# Altium PCB RK_NVR_DEMO1_RK3588_LP4XD200P232SD8_V21_20211228_final_lint.PcbDoc (part 26 of 29)
Units mm, origin at the board's own origin, x right, y up, seen from the top; angles counter-clockwise.
Board outline 170.08 x 169.98 mm, 8 copper layers (TOP, L2-GND1, L3-POWER1, L4-S1, L5-GND2, L6-S2, L7-GND3, BOTTOM), stack 2.118 mm thick; 1650 components, 1119 nets, 6165 pads, 15417 vias.
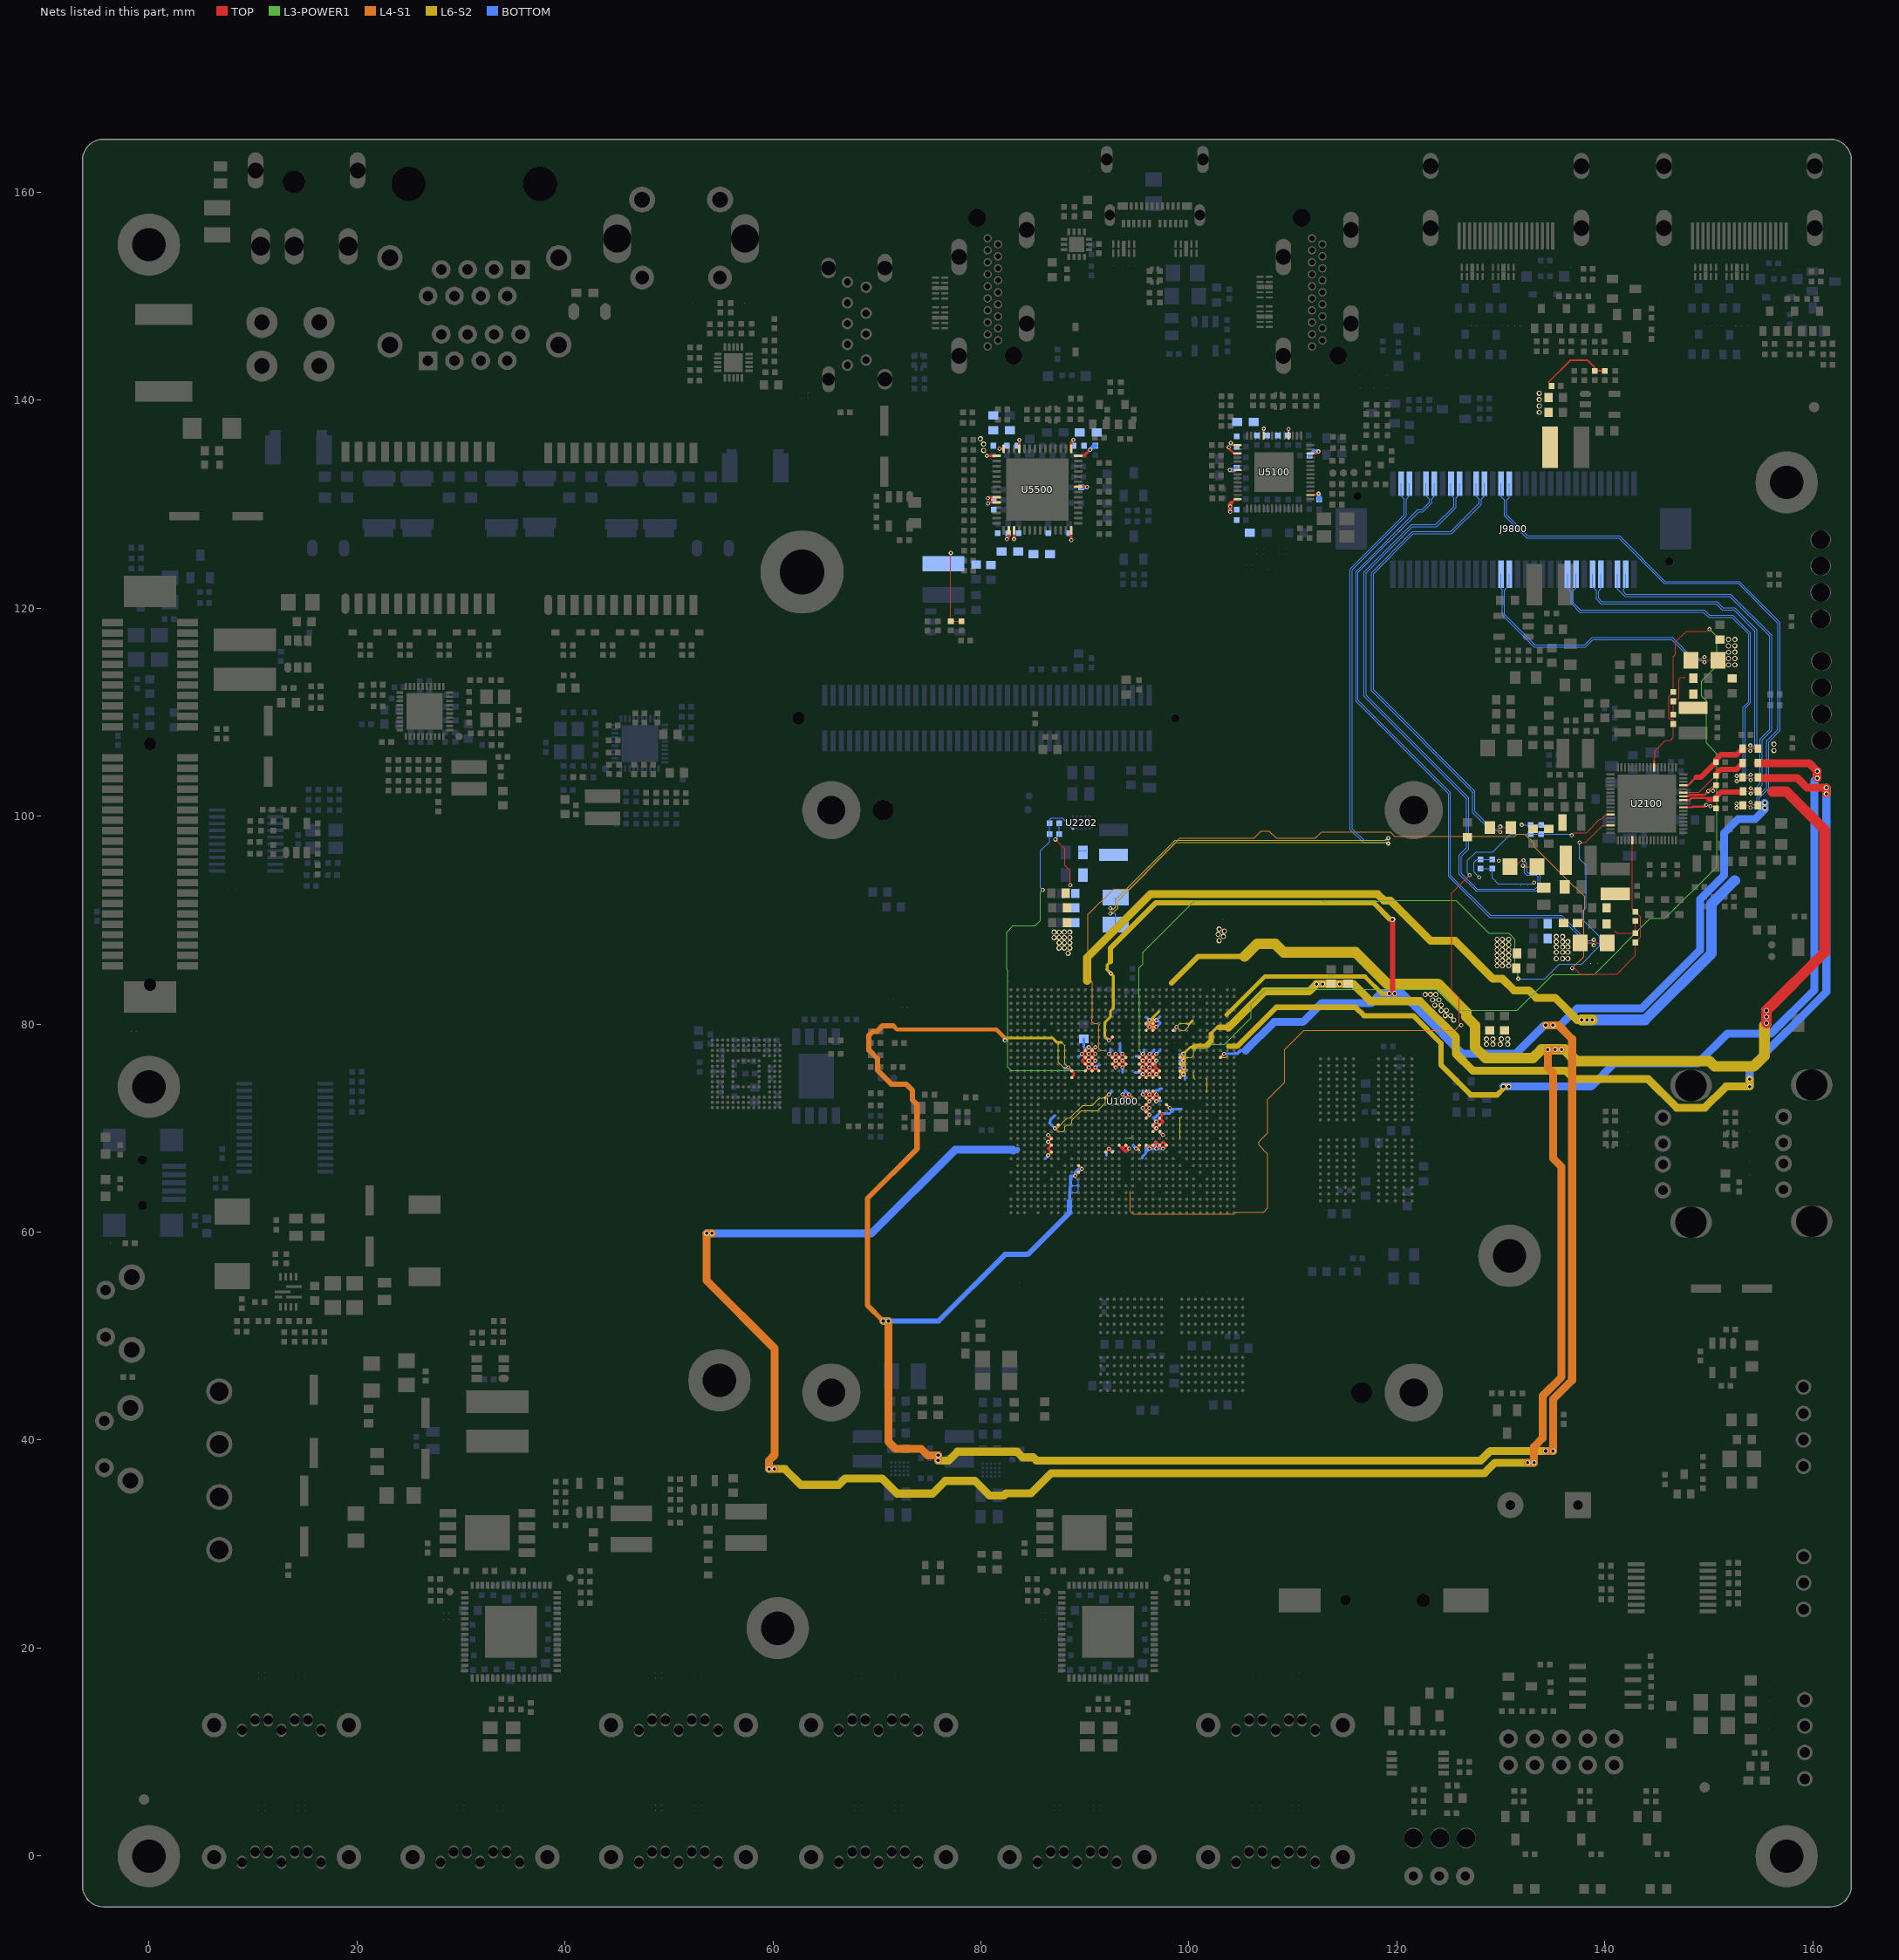
[diagram p32: the nets of this part, all layers, seen from the top]

## Via types
v1: diameter 0.4, hole 0.2, TOP to BOTTOM, 1688 vias
v2: diameter 0.4/0.4 (per signal layer), hole 0.2, TOP to L2-GND1, 1605 vias
v3: diameter 0/0/0/0/0/0/0/0.4 (per signal layer), hole 0.2, TOP to BOTTOM, 1253 vias
v4: diameter 0.4/0/0/0/0/0/0/0 (per signal layer), hole 0.2, TOP to BOTTOM, 1253 vias
v5: diameter 0.5, hole 0.3, TOP to BOTTOM, 857 vias
v6: diameter 0.4/0.4/0.4/0.4/0.4 (per signal layer), hole 0.2, L4-S1 to BOTTOM, 836 vias
v7: diameter 0/0/0/0/0/0/0/0.5 (per signal layer), hole 0.3, TOP to BOTTOM, 772 vias
v8: diameter 0.5/0/0/0/0/0/0/0 (per signal layer), hole 0.3, TOP to BOTTOM, 772 vias
v9: diameter 0.5/0.5 (per signal layer), hole 0.3, TOP to L2-GND1, 766 vias
v10: diameter 0.4/0.4 (per signal layer), hole 0.2, L7-GND3 to BOTTOM, 611 vias
v11: diameter 0.4/0.4/0.4/0.4 (per signal layer), hole 0.2, L5-GND2 to BOTTOM, 579 vias
v12: diameter 0.4 (per signal layer), hole 0.2, L6-S2 to L6-S2, 535 vias
v13: diameter 0.5/0.5/0.5/0.5/0.5 (per signal layer), hole 0.3, L4-S1 to BOTTOM, 457 vias
v14: diameter 0.5/0.5/0.5/0.5 (per signal layer), hole 0.3, L5-GND2 to BOTTOM, 455 vias
v15: diameter 0.4 (per signal layer), hole 0.2, L5-GND2 to L5-GND2, 418 vias
v16: diameter 0.5/0.5/0.5 (per signal layer), hole 0.3, TOP to L3-POWER1, 306 vias
v17: diameter 0.4 (per signal layer), hole 0.2, L4-S1 to L4-S1, 300 vias
v18: diameter 0.4/0.4/0.4 (per signal layer), hole 0.2, TOP to L3-POWER1, 287 vias
v19: diameter 0.5 (per signal layer), hole 0.3, L3-POWER1 to L3-POWER1, 242 vias
v20: diameter 0.5 (per signal layer), hole 0.3, L4-S1 to L4-S1, 240 vias
v21: diameter 0.5/0.5 (per signal layer), hole 0.3, L7-GND3 to BOTTOM, 192 vias
v22: diameter 0.5 (per signal layer), hole 0.3, L6-S2 to L6-S2, 166 vias
v23: diameter 0.4/0.4/0.4/0.4/0.4 (per signal layer), hole 0.2, TOP to L5-GND2, 134 vias
v24: diameter 0.5 (per signal layer), hole 0.3, L5-GND2 to L5-GND2, 114 vias
v25: diameter 0.5/0.5 (per signal layer), hole 0.3, L3-POWER1 to L4-S1, 111 vias
v26: diameter 0.4 (per signal layer), hole 0.2, L3-POWER1 to L3-POWER1, 93 vias
v27: diameter 0.4/0.4 (per signal layer), hole 0.2, L4-S1 to L5-GND2, 59 vias
v28: diameter 0.4/0.4/0/0/0.4/0/0.4/0.4 (per signal layer), hole 0.2, TOP to BOTTOM, 56 vias
v29: diameter 0.4/0/0/0.4/0/0/0/0.4 (per signal layer), hole 0.2, TOP to BOTTOM, 51 vias
v30: diameter 0.5/0.5 (per signal layer), hole 0.3, L4-S1 to L5-GND2, 46 vias
v31: diameter 0.4/0/0/0/0/0.4/0/0.4 (per signal layer), hole 0.2, TOP to BOTTOM, 42 vias
v32: diameter 0.5/0.5/0.5/0.5/0.5 (per signal layer), hole 0.3, TOP to L5-GND2, 32 vias
v33: diameter 0.4/0.4 (per signal layer), hole 0.2, L3-POWER1 to L4-S1, 29 vias
v34: diameter 0.4/0/0.4/0/0/0/0/0.4 (per signal layer), hole 0.2, TOP to BOTTOM, 29 vias
v35: diameter 0.4/0.4/0/0/0.4/0.4/0.4/0.4 (per signal layer), hole 0.2, TOP to BOTTOM, 21 vias
v36: diameter 0.5/0.5/0.5/0/0.5/0.5/0.5/0.5 (per signal layer), hole 0.3, TOP to BOTTOM, 4 vias
v37: diameter 0.5/0.5/0/0.5/0.5/0.5/0.5/0.5 (per signal layer), hole 0.3, TOP to BOTTOM, 3 vias
v38: diameter 0.4/0/0.4/0.4/0/0/0/0.4 (per signal layer), hole 0.2, TOP to BOTTOM, 2 vias
v39: diameter 0.4/0.4/0.4/0/0.4/0/0.4/0.4 (per signal layer), hole 0.2, TOP to BOTTOM, 1 vias

## Nets (pads, with @x,y where several pads share a name; then routed paths per layer and width w, separated by ;. In a path a pad name is that pad's centre, name@x,y a point inside that pad or via, vN(x,y) a via of type N, cw(c..) or ccw(c..) an arc to the next point about the centre after c; other vN are vias at no path point) (continued)
VDD_DDR: C1220.1 C1221.1 C1223.1 C1224.1 C1225.1 C1226.1 C1227.1 C1228.1 C1229.1 C1231.1 C2115.1 C2118.2 J2100.1 J9800.39 R2111.1 R2113.2 U1000.L11 U1000.L12 U1000.L13 U1000.L14 U1000.L17 U1000.L18 U1000.N13 U1000.P12 U1000.P13 U1000.R12 U1000.T12 U1000.U11 U2100.46 | length 152.1
  TOP w0.102: v4(126.179,79.896) 125.975,80.099 125.975,82.538 125.264,83.249 125.264,92.596 v4(126.991,94.323) ; R2111.1@129.42,98.768 129.658,98.768 v4(129.938,98.489) ; v4(136.796,98.159) 137.05,98.413 138.232,98.413 139.502,99.683 139.615,99.683 139.818,99.886 140.085,100.153 U2100.46@140.538,100.153
  TOP w0.254: U1000.L18@93.291,68.356 93.616,68.031 ; U1000.L14@95.891,68.356 v4(96.215,68.031) U1000.L13@96.54,68.356 ; U1000.N13@96.541,69.656 v4(96.865,69.981) ; U1000.P12@97.191,70.306 97.515,70.631 97.191,70.956 v4(96.865,70.631) ; U1000.R12@97.191,70.956 97.515,71.281 U1000.T12@97.191,71.606 ; U1000.U11@97.841,72.256 v4(98.165,71.931) ; 93.616,68.031 93.941,67.706 v4(94.265,68.031) U1000.L17@93.941,68.356 93.616,68.031 ; U1000.L13@96.541,68.356 v4(96.865,68.031) U1000.L12@97.191,68.356 ; U1000.L13@96.541,68.356 96.548,68.356 96.865,68.673 97.182,68.356 U1000.L12@97.191,68.356 ; v4(96.865,69.981) U1000.P12@97.191,70.306 v4(96.865,70.631) ; v4(96.865,69.981) U1000.P13@96.541,70.306 v4(96.865,70.631) ; U1000.L12@97.191,68.356 97.516,68.681 U1000.L11@97.841,68.356 v4(97.515,68.031) U1000.L12@97.191,68.356
  L4-S1 w0.089: 94.378,63.945 94.378,62.014 94.657,61.735 104.36,61.735 104.538,61.913 107.078,61.913 ; 99.153,74.816 99.141,74.828 99.141,75.315 99.331,75.505 99.538,75.505 99.6,75.506 99.621,75.527 99.864,75.527 ; 106.951,68.898 106.722,68.669 106.722,68.364 107.586,67.501 107.586,66.993 ; 107.586,71.565 107.586,72.708 ; 107.586,72.784 108.246,73.444
  L4-S1 w0.102: 106.951,68.898 107.586,69.533 107.586,71.565 ; 107.078,61.913 107.179,61.913 107.586,62.319 107.586,66.993 ; 107.586,72.708 107.586,72.784 ; 108.246,73.444 109.211,74.41 109.211,77.559 111.04,79.388 125.569,79.388 126.077,79.896 v4(126.179,79.896)
  BOTTOM w0.102: v4(126.991,94.323) 126.788,94.526 126.788,95.746 127.601,96.558 129.227,96.558 130.935,98.267 R2113.2@132.877,98.267 C2118.2@133.862,98.267 136.687,98.267 v4(136.796,98.159) ; J9800.39@127.608,131.973 127.608,130.791 127.906,130.493 127.906,130.086 125.175,127.356 121.51,127.356 117.543,123.389 117.543,112.07 127.296,102.316 127.296,100.343 129.049,98.59 129.836,98.59 v4(129.938,98.489)
  BOTTOM w0.254: C1228.1@93.866,67.788 94.022,67.788 v4(94.265,68.031) ; C1221.1@95.521,67.082 95.521,67.247 95.847,67.573 95.847,67.701 ; C1227.1@96.767,68.678 96.767,68.13 v4(96.865,68.031) ; v4(96.865,69.981) 96.737,69.981 96.503,70.215 96.503,70.269 v4(96.865,70.631) 96.642,70.854 96.642,71.014 96.748,71.014 97.126,71.392 C1220.1@97.524,71.392 98.109,71.392 98.276,71.558 ; v4(97.515,68.031) v4(96.865,68.031) ; v4(98.165,71.931) 98.276,71.82 98.276,71.558 ; 99.305,71.841 98.559,71.841 98.276,71.558 ; 95.847,67.701 95.847,68.326 95.92,68.326 v4(96.215,68.031) ; 95.847,67.701 95.885,67.701 v4(96.215,68.031) ; v4(96.215,68.031) v4(96.865,68.031)
  other v3: 94.265,68.031 96.215,68.031 96.865,68.031 97.515,68.031 96.865,69.981 96.865,70.631 98.165,71.931 126.179,79.896 126.991,94.323 136.796,98.159 129.938,98.489
  other v7: 125.467,80.404 124.655,80.81 125.163,80.81 124.248,81.318 124.756,81.318 123.639,81.826 124.248,81.826 123.435,82.334 124.045,82.334 122.724,82.842 123.232,82.842 123.74,82.842
  other v8: 125.467,80.404 124.655,80.81 125.163,80.81 124.248,81.318 124.756,81.318 123.639,81.826 124.248,81.826 123.435,82.334 124.045,82.334 122.724,82.842 123.232,82.842 123.74,82.842
  other v17: 94.265,68.031 96.215,68.031 96.865,68.031 97.515,68.031 96.865,69.981 96.865,70.631 98.165,71.931 126.179,79.896
  other v20: 125.467,80.404 124.655,80.81 125.163,80.81 124.248,81.318 124.756,81.318 123.639,81.826 124.248,81.826 123.435,82.334 124.045,82.334 122.724,82.842 123.232,82.842 123.74,82.842
VDD_DDR_P: C2116.1 C2117.1 C2118.1 J2100.2 J9800.37 L2102.1 R2111.2 R2113.1 | length 48.2
  TOP w0.102: v4(129.938,98.997) 130.039,98.895 R2111.2@130.938,98.895
  BOTTOM w0.102: J9800.37@128.408,131.973 128.408,130.791 128.109,130.493 128.109,129.985 125.277,127.153 121.594,127.153 117.746,123.305 117.746,112.154 127.499,102.4 127.499,100.445 129.15,98.794 129.735,98.794 v4(129.938,98.997) ; v4(132.002,99.167) R2113.1@132.877,99.167 C2118.1@133.862,99.167
  other v3: 129.938,98.997 132.002,99.167
VDD_GPU: C1000.1 C1001.1 C1002.1 C1003.1 C1004.1 C1005.1 C1006.1 C1007.1 C1020.1 C1085.1 C2102.1 C2108.2 C2111.1 J2102.2 J9800.45 R2100.2 R2104.2 U1000.AA12 U1000.AA13 U1000.AA14 U1000.AA15 U1000.AB12 U1000.AB13 U1000.AB14 U1000.AB15 U1000.AC13 U1000.AC14 U1000.AC15 U1000.AD13 U1000.AD14 U1000.AD15 U2100.49 | length 162.4
  TOP w0.102: R2100.2@130.873,95.136 131.076,95.339 131.563,95.339 131.97,95.746 v4(132.173,95.746) ; v4(137.558,97.473) 138.155,97.473 139.755,99.073 140.022,99.073 140.052,99.103 U2100.49@140.538,99.103
  TOP w0.254: U1000.AA15@95.241,74.856 v4(95.565,75.181) ; U1000.AD15@95.241,76.806 v4(95.566,76.481) ; v38(95.565,77.13) U1000.AD14@95.891,76.806 ; v38(96.215,77.13) U1000.AD13@96.54,76.806 ; v4(96.865,77.131) U1000.AD13@96.541,76.806 ; U1000.AA12@97.191,74.856 v4(96.865,75.181) ; v4(95.565,75.181) U1000.AA14@95.891,74.856 v4(96.215,75.181) ; v4(95.565,75.181) U1000.AB15@95.241,75.506 v4(95.565,75.831) ; v4(95.565,75.181) U1000.AB14@95.891,75.506 ; v4(95.565,75.831) U1000.AC14@95.891,76.156 ; v4(95.565,75.831) U1000.AC15@95.241,76.156 v4(95.566,76.481) ; v4(95.565,75.831) U1000.AB14@95.891,75.506 ; v4(95.566,76.481) U1000.AC14@95.891,76.156 ; v4(95.566,76.481) U1000.AD14@95.891,76.806 ; U1000.AB14@95.891,75.506 v4(96.215,75.831) ; U1000.AB14@95.891,75.506 v4(96.215,75.181) ; U1000.AC14@95.891,76.156 v4(96.215,76.481) ; U1000.AC14@95.891,76.156 v4(96.215,75.831) ; U1000.AD14@95.891,76.806 v4(96.215,76.481) ; v4(96.215,75.181) U1000.AB13@96.54,75.506 ; v4(96.215,75.181) U1000.AA13@96.541,74.856 v4(96.865,75.181) ; v4(96.215,75.831) U1000.AB13@96.541,75.506 ; v4(96.215,75.831) U1000.AC13@96.54,76.156 ; v4(96.215,76.481) U1000.AD13@96.54,76.806 ; v4(96.215,76.481) U1000.AC13@96.541,76.156 ; U1000.AB13@96.541,75.506 v4(96.865,75.181) ; U1000.AB13@96.541,75.506 96.865,75.831 ; U1000.AC13@96.541,76.156 v4(96.865,76.481) U1000.AD13@96.541,76.806 ; U1000.AC13@96.541,76.156 96.865,75.831 ; v3@96.866,75.181 U1000.AB12@97.191,75.506 96.865,75.831
  L3-POWER1 w0.089: 95.369,77.279 95.225,77.423 95.225,81.159 95.191,81.194 95.191,81.517 95.226,81.553 95.226,81.809 95.191,81.844 95.191,82.167 95.226,82.203 95.226,82.459 95.191,82.494 95.191,85.382 95.597,85.789
  L3-POWER1 w0.102: 95.597,85.789 95.597,86.906 100.575,91.885 112.867,91.885 112.941,91.811 113.203,91.811 113.277,91.885 117.959,91.885 118.021,91.823 118.283,91.823 118.345,91.885 125.671,91.885 128.82,88.735 130.751,88.735 131.36,88.126 131.36,85.789 131.665,85.484 v4(131.665,84.366)
  BOTTOM w0.102: J9800.45@125.208,131.973 125.208,130.854 125.467,130.594 125.467,129.782 123.74,128.054 121.403,128.054 116.831,123.482 116.831,111.511 126.687,101.656 126.687,96.965 125.975,96.254 125.975,94.425 127.601,92.799 133.392,92.799 133.777,93.184 133.777,94.243 133.494,94.526 132.605,94.526 132.478,94.653 132.478,95.441 v4(132.173,95.746) ; v4(127.906,94.12) 127.398,94.628 127.398,95.542 127.71,95.854 C2108.2@128.046,95.854 R2104.2@129.157,95.854 ; v4(131.665,84.366) 134.205,84.366 135.627,85.789 137.761,85.789 139.488,87.516 139.488,88.43 137.863,90.056 137.863,90.869 138.167,91.174 138.167,95.281 137.558,95.891 v4(137.558,97.473)
  BOTTOM w0.254: C1005.1@94.81,75.337 95.41,75.337 v4(95.565,75.181) ; C1007.1@94.886,76.909 95.344,76.909 v38(95.565,77.13) 95.699,77.263 95.699,77.513 ; 95.191,76.137 95.259,76.137 v4(95.565,75.831) ; v38(96.215,77.13) 96.281,77.13 96.664,77.513 ; C1004.1@96.721,75.98 96.721,76.337 v4(96.865,76.481) ; v4(96.865,77.131) 97.252,77.517 97.252,77.559
  other v3: 95.565,75.181 96.215,75.181 96.865,75.181 95.565,75.831 96.215,75.831 95.566,76.481 96.215,76.481 96.865,76.481 96.865,77.131 131.665,84.366 127.906,94.12 132.173,95.746 137.558,97.473
  other v7: 129.633,85.611 130.141,85.611 130.751,85.611 129.633,86.119 130.141,86.119 130.751,86.119 129.633,86.627 130.141,86.627 130.751,86.627 129.633,87.135 130.141,87.135 130.751,87.135 129.633,87.643 130.141,87.643 130.751,87.643 102.912,88.024 129.633,88.151 130.141,88.151 130.751,88.151 103.319,88.431 102.811,88.634 103.42,88.938 102.912,89.142
  other v8: 129.633,85.611 130.141,85.611 130.751,85.611 129.633,86.119 130.141,86.119 130.751,86.119 129.633,86.627 130.141,86.627 130.751,86.627 129.633,87.135 130.141,87.135 130.751,87.135 129.633,87.643 130.141,87.643 130.751,87.643 102.912,88.024 129.633,88.151 130.141,88.151 130.751,88.151 103.319,88.431 102.811,88.634 103.42,88.938 102.912,89.142
  other v25: 129.633,85.611 130.141,85.611 130.751,85.611 129.633,86.119 130.141,86.119 130.751,86.119 129.633,86.627 130.141,86.627 130.751,86.627 129.633,87.135 130.141,87.135 130.751,87.135 129.633,87.643 130.141,87.643 130.751,87.643 102.912,88.024 129.633,88.151 130.141,88.151 130.751,88.151 103.319,88.431 102.811,88.634 103.42,88.938 102.912,89.142
  other v26: 131.665,84.366
  other v33: 95.565,75.181 96.215,75.181 96.865,75.181 95.565,75.831 96.215,75.831 95.566,76.481 96.215,76.481 96.865,76.481 96.865,77.131
VDD_GPU_P: C2108.1 C2109.1 C2110.1 J2102.1 J9800.43 L2101.2 R2100.1 R2104.1 | length 65.9
  TOP w0.102: v4(132.122,95.238) 132.173,95.238 132.275,95.136 R2100.1@133.473,95.136
  BOTTOM w0.102: J9800.43@126.008,131.973 126.008,130.932 125.671,130.594 125.671,129.68 123.842,127.851 121.505,127.851 117.035,123.381 117.035,111.595 126.89,101.74 126.89,96.863 126.179,96.152 126.179,94.509 127.685,93.002 133.291,93.002 133.574,93.286 133.574,94.141 133.392,94.323 132.478,94.323 132.275,94.526 132.275,95.136 132.173,95.238 v4(132.122,95.238) ; C2108.1@128.046,94.954 R2104.1@129.157,94.954 129.157,94.088 129.735,93.51 133.087,93.51 v4(133.189,93.612)
  other v3: 133.189,93.612 132.122,95.238
VDD_IVDD10: C5120.1 C5121.1 C5122.1 C5123.1 C5124.1 C5125.1 C5126.1 C5135.1 C5136.1 C5137.1 C5138.1 FB5102.1 FB5103.1 L5101.2 R5132.1 U5100.15 U5100.17 U5100.21 U5100.28 U5100.44 U5100.54 | length 15.3
  TOP w0.152: 134.563,141.722 136.669,143.828 138.345,143.828 139.018,143.155 C5120.1@139.018,142.821 R5132.1@140.002,142.821
  TOP w0.203: v4(103.827,135.471) 103.827,135.37 104.316,134.881 U5100.17@104.688,134.881 ; v4(103.928,133.28) U5100.21@104.688,133.28 ; v4(104.03,135.878) 104.227,135.68 U5100.15@104.688,135.68 ; 104.081,130.137 104.424,130.481 U5100.28@104.688,130.481 ; U5100.44@111.688,130.881 112.342,130.881 v4(112.463,131.001) ; U5100.54@111.688,134.881 112.278,134.881 v4(112.463,135.065)
  TOP w0.406: v4(103.959,129.274) v4(103.959,129.782) 103.959,130.015 104.081,130.137
  BOTTOM w0.406: v4(103.928,133.28) 104.368,133.28 C5124.1@104.582,133.494 ; C5126.1@111.587,134.679 111.973,135.065 v4(112.463,135.065) ; v4(112.463,131.001) 112.518,130.945 C5125.1@112.518,130.429
  other v3: 103.959,129.274 103.959,129.782 112.463,131.001 103.928,133.28 112.463,135.065 103.827,135.471 104.03,135.878
  other v7: 133.697,138.824 133.697,139.434 133.697,140.043 133.697,140.653
  other v8: 133.697,138.824 133.697,139.434 133.697,140.043 133.697,140.653
  other v17: 103.959,129.274 103.959,129.782 112.463,131.001 103.928,133.28 112.463,135.065 103.827,135.471 104.03,135.878
  other v20: 133.697,138.824 133.697,139.434 133.697,140.043 133.697,140.653
VDD_IVDD12_6161: C5515.1 C5521.1 C5522.1 C5523.1 C5524.1 C5525.1 C5526.1 C5527.1 FB5501.1 FB5502.1 FB5503.1 FB5504.1 FB5505.1 L5501.2 R5553.1 U5500.22 U5500.28 U5500.42 U5500.43 U5500.51 U5500.52 | length 14.2
  TOP w0.102: v4(77.106,125.311) C5515.1@77.106,118.751 R5553.1@78.122,118.751
  TOP w0.254: v4(80.56,134.657) U5500.43@81.512,134.657 ; v4(80.662,130.555) 80.763,130.657 U5500.51@81.512,130.657 ; v4(80.692,130.056) 80.794,130.157 U5500.52@81.512,130.157 ; v4(81.779,135.332) U5500.42@82.187,135.332 ; U5500.22@89.362,131.657 v4(90.212,131.657) ; U5500.28@89.362,134.657 89.924,134.657 v4(90.499,135.232)
  BOTTOM w0.406: C5525.1@89.646,131.61 90.165,131.61 v4(90.212,131.657) ; v4(90.499,135.232) 90.883,135.616 C5526.1@91.025,135.616
  other v3: 77.106,125.311 80.692,130.056 80.662,130.555 90.212,131.657 80.56,134.657 90.499,135.232 81.779,135.332
  other v7: 80.255,135.166 80.255,135.776 79.951,136.284
  other v8: 80.255,135.166 80.255,135.776 79.951,136.284
  other v17: 80.692,130.056 80.662,130.555 90.212,131.657 80.56,134.657 90.499,135.232 81.779,135.332
  other v20: 80.255,135.166 80.255,135.776 79.951,136.284
VDD_LOGIC: C1034.1 C1035.1 C1036.1 C1037.1 C1038.1 C1039.1 C1040.1 C1041.1 C1042.1 C2132.2 C2135.1 C2136.1 J2104.2 J9800.51 R2122.2 R2124.2 U1000.AC17 U1000.AC18 U1000.AC19 U1000.AD17 U1000.AD18 U1000.AD19 U1000.K19 U1000.K20 U1000.V16 U1000.V17 U2100.56 | length 173
  TOP w0.102: v4(136.847,85.382) 137.05,85.382 137.609,84.824 141.165,84.824 142.943,86.602 R2124.2@142.943,87.851 143.451,88.359 143.451,90.305 C2132.2@142.943,90.813 142.638,91.117 U2100.56@142.638,97.703 ; R2122.2@137.629,87.795 138.726,87.795 v4(138.929,87.592)
  TOP w0.254: U1000.K20@91.991,67.705 92.315,68.03 U1000.K19@92.641,67.705 ; v4(92.316,77.131) U1000.AD19@92.641,76.806 ; U1000.AC19@92.641,76.156 v4(92.965,75.83) U1000.AC18@93.291,76.156 ; U1000.AC19@92.641,76.156 v4(92.966,76.481) ; v4(93.616,73.231) U1000.V17@93.941,72.906 v4(94.266,73.231) U1000.V16@94.591,72.906 ; U1000.AD19@92.641,76.806 v4(92.966,76.481) ; U1000.AD19@92.641,76.806 v4(92.966,77.131) U1000.AD18@93.291,76.806 ; v4(92.966,76.481) U1000.AD18@93.291,76.806 ; v4(92.966,76.481) U1000.AC18@93.291,76.156 ; U1000.AC18@93.291,76.156 v3@93.616,76.481 ; U1000.AC18@93.291,76.156 v4(93.616,75.83) U1000.AC17@93.941,76.156 v4(93.616,76.481) ; U1000.AD18@93.291,76.806 v4(93.616,76.481) ; U1000.AD18@93.291,76.806 v4(93.616,77.131) U1000.AD17@93.941,76.806 v4(93.616,76.481)
  L3-POWER1 w0.089: 94.103,69.055 94.137,69.021 94.394,69.021 94.575,69.203 94.575,69.324 94.581,69.33
  L4-S1 w0.089: 90.619,84.081 90.695,84.005 90.695,80.519 90.691,80.515 90.691,80.246 90.881,80.056 91.169,80.056 91.33,79.896 91.33,79.876 91.34,79.865 91.34,79.597 91.33,79.587 91.33,77.926 91.34,77.915 91.34,77.762 ; 91.341,77.762 91.341,77.647 91.531,77.456 91.8,77.456 91.801,77.458 91.939,77.458
  L4-S1 w0.102: 90.619,84.081 90.619,84.163 90.314,84.468 90.314,90.564 92.752,93.002 94.276,93.002 99.153,97.879 106.265,97.879 106.946,98.56 107.718,98.56 108.399,97.879 112.158,97.879 112.767,98.489 119.371,98.489 119.778,98.082 131.36,98.082 131.563,98.286 132.275,98.286 133.189,97.371 133.189,97.066 137.05,93.206 137.151,93.206 138.066,92.291 138.066,91.072 137.964,90.97 137.964,86.5 v4(136.847,85.382)
  BOTTOM w0.102: J9800.51@122.808,131.973 122.808,130.816 123.131,130.493 123.131,130.188 122.419,129.477 122.013,129.477 116.069,123.533 116.069,111.036 124.959,102.146 124.959,94.222 128.922,90.259 135.729,90.259 138.167,87.821 138.701,87.821 v4(138.929,87.592)
  BOTTOM w0.254: C1038.1@92.079,67.374 92.079,67.794 v4(92.315,68.031) 92.537,67.809 C1039.1@92.727,67.809 ; v4(92.316,77.131) 92.46,77.275 C1037.1@92.46,77.635 ; C1041.1@93.378,78.143 93.378,77.529 C1040.1@93.391,77.516 93.391,77.356 v4(93.616,77.131) ; v4(93.616,73.231) 93.841,73.456 C1042.1@93.841,73.622 93.875,73.622 v4(94.266,73.231) ; C1036.1@93.616,75.337 v4(93.616,75.83)
  other v3: 92.315,68.031 93.616,73.231 94.266,73.231 92.965,75.83 93.616,75.83 92.966,76.481 93.616,76.481 92.316,77.131 92.966,77.131 93.616,77.131 136.847,85.382 138.929,87.592 129.805,95.714
  other v4: 129.805,95.714
  other v7: 135.323,86.297 135.932,86.297 136.44,86.297 135.323,86.906 135.932,86.907 136.44,86.907 135.323,87.414 135.932,87.415 136.44,87.415 135.323,87.922 135.932,87.923 136.44,87.923 135.323,88.43 135.932,88.431
  other v8: 135.323,86.297 135.932,86.297 136.44,86.297 135.323,86.906 135.932,86.907 136.44,86.907 135.323,87.414 135.932,87.415 136.44,87.415 135.323,87.922 135.932,87.923 136.44,87.923 135.323,88.43 135.932,88.431
  other v17: 136.847,85.382

## Text inside footprints (layer, text, board x,y; h text height)
C5528: PIN_NUMBER "2" at 83.531,128.098 h0.25 r90; PIN_NUMBER "1" at 83.531,127.198 h0.25 r90; ASSEMBLY_TOP "2.2uF" at 83.252,127.648 h0.25 r270
C5529: PIN_NUMBER "2" at 88.383,128.098 h0.25 r90; PIN_NUMBER "1" at 88.383,127.198 h0.25 r90; ASSEMBLY_TOP "100nF" at 88.104,127.648 h0.25 r270
C5530: PIN_NUMBER "2" at 86.364,128.098 h0.25 r90; PIN_NUMBER "1" at 86.364,127.198 h0.25 r90; ASSEMBLY_TOP "100nF" at 86.084,127.648 h0.25 r270
C5531: PIN_NUMBER "2" at 75.785,118.751 h0.25 r90; PIN_NUMBER "1" at 75.785,117.851 h0.25 r90; ASSEMBLY_TOP "100nF" at 75.506,118.301 h0.25 r90
C5532: PIN_NUMBER "2" at 82.528,128.098 h0.25 r90; PIN_NUMBER "1" at 82.528,127.198 h0.25 r90; ASSEMBLY_TOP "2.2uF" at 82.248,127.648 h0.25 r270
C5533: PIN_NUMBER "2" at 81.524,128.098 h0.25 r90; PIN_NUMBER "1" at 81.524,127.198 h0.25 r90; ASSEMBLY_TOP "100nF" at 81.245,127.648 h0.25 r270
C6700: PIN_NUMBER "2" at 42.832,108.838 h0.25 r90; PIN_NUMBER "1" at 42.832,107.938 h0.25 r90; ASSEMBLY_TOP "18pF" at 42.654,108.388 h0.25 r270
C6701: PIN_NUMBER "2" at 42.831,105.919 h0.25 r270; PIN_NUMBER "1" at 42.831,106.819 h0.25 r270; ASSEMBLY_TOP "18pF" at 42.653,106.369 h0.25 r270
C6702: PIN_NUMBER "2" at 38.293,120.111 h0.25 r270; PIN_NUMBER "1" at 38.293,121.011 h0.25 r270; ASSEMBLY_TOP "10nF" at 38.116,120.561 h0.25 r270
C6703: PIN_NUMBER "2" at 42.103,120.111 h0.25 r270; PIN_NUMBER "1" at 42.103,121.011 h0.25 r270; ASSEMBLY_TOP "10nF" at 41.926,120.561 h0.25 r270
C6704: PIN_NUMBER "2" at 49.723,120.111 h0.25 r270; PIN_NUMBER "1" at 49.723,121.011 h0.25 r270; ASSEMBLY_TOP "10nF" at 49.546,120.561 h0.25 r270
C6705: PIN_NUMBER "2" at 45.913,120.111 h0.25 r270; PIN_NUMBER "1" at 45.913,121.011 h0.25 r270; ASSEMBLY_TOP "10nF" at 45.736,120.561 h0.25 r270
C6706: PIN_NUMBER "2" at 41.748,103.719 h0.25 r180; PIN_NUMBER "1" at 42.649,103.719 h0.25 r180; ASSEMBLY_TOP "DNP" at 41.995,103.592 h0.25 r180
C6707: PIN_NUMBER "2" at 55.643,125.768 h0.25; PIN_NUMBER "1" at 52.595,125.768 h0.25
C6708: PIN_NUMBER "2" at 43.802,148.513 h0.25; PIN_NUMBER "1" at 40.754,148.513 h0.25; ASSEMBLY_TOP "1000pF" at 41.77,148.386 h0.25
C6709: PIN_NUMBER "2" at 51.362,104.154 h0.25; PIN_NUMBER "1" at 49.962,104.154 h0.25; ASSEMBLY_TOP "4.7uF" at 50.255,104.027 h0.25
C6710: PIN_NUMBER "2" at 47.493,104.938 h0.25 r90; PIN_NUMBER "1" at 47.493,104.038 h0.25 r90; ASSEMBLY_TOP "1uF" at 47.417,104.488 h0.25 r90
C6711: PIN_NUMBER "2" at 46.559,104.938 h0.25 r90; PIN_NUMBER "1" at 46.559,104.038 h0.25 r90; ASSEMBLY_TOP "100nF" at 46.28,104.488 h0.25 r90
C6712: PIN_NUMBER "2" at 49.332,107.855 h0.25 r180; PIN_NUMBER "1" at 50.732,107.855 h0.25 r180; ASSEMBLY_TOP "4.7uF" at 49.626,107.728 h0.25
C6713: PIN_NUMBER "2" at 45.1,104.924 h0.25 r90; PIN_NUMBER "1" at 45.1,104.023 h0.25 r90; ASSEMBLY_TOP "100nF" at 44.821,104.474 h0.25 r90
C6714: PIN_NUMBER "2" at 45.003,108.702 h0.25; PIN_NUMBER "1" at 44.103,108.702 h0.25; ASSEMBLY_TOP "100nF" at 44.146,108.575 h0.25
C6715: PIN_NUMBER "2" at 39.906,101.604 h0.25 r90; PIN_NUMBER "1" at 39.906,100.204 h0.25 r90; ASSEMBLY_TOP "4.7uF" at 39.627,100.904 h0.25 r90
C6716: PIN_NUMBER "2" at 40.945,101.057 h0.25 r90; PIN_NUMBER "1" at 40.945,100.157 h0.25 r90; ASSEMBLY_TOP "100nF" at 40.665,100.607 h0.25 r90
C6717: PIN_NUMBER "2" at 46.665,108.996 h0.25 r270; PIN_NUMBER "1" at 46.665,109.896 h0.25 r270; ASSEMBLY_TOP "100nF" at 46.385,109.446 h0.25 r90
C6718: PIN_NUMBER "2" at 52.028,108.551 h0.25; PIN_NUMBER "1" at 51.128,108.551 h0.25; ASSEMBLY_TOP "100nF" at 51.172,108.425 h0.25 r180
C6719: PIN_NUMBER "2" at 39.527,112.31 h0.25 r180; PIN_NUMBER "1" at 40.928,112.31 h0.25 r180; ASSEMBLY_TOP "4.7uF" at 39.821,112.183 h0.25
C6720: PIN_NUMBER "2" at 48.803,108.996 h0.25 r270; PIN_NUMBER "1" at 48.803,109.896 h0.25 r270; ASSEMBLY_TOP "100nF" at 48.524,109.446 h0.25 r90
C6721: PIN_NUMBER "2" at 45.003,107.27 h0.25; PIN_NUMBER "1" at 44.103,107.27 h0.25; ASSEMBLY_TOP "100nF" at 44.146,107.143 h0.25
C6722: PIN_NUMBER "2" at 48.389,104.938 h0.25 r90; PIN_NUMBER "1" at 48.389,104.038 h0.25 r90; ASSEMBLY_TOP "100nF" at 48.11,104.488 h0.25 r90
C6723: PIN_NUMBER "2" at 47.56,108.996 h0.25 r270; PIN_NUMBER "1" at 47.56,109.896 h0.25 r270; ASSEMBLY_TOP "100nF" at 47.281,109.446 h0.25 r90
C6724: PIN_NUMBER "2" at 44.848,100.162 h0.25 r90; PIN_NUMBER "1" at 44.848,99.262 h0.25 r90; ASSEMBLY_TOP "DNP" at 44.772,99.712 h0.25 r270
C6726: PIN_NUMBER "2" at 51.223,103.525 h0.25 r270; PIN_NUMBER "1" at 51.223,104.425 h0.25 r270; ASSEMBLY_TOP "3pF" at 51.147,103.975 h0.25 r270
C6800: PIN_NUMBER "2" at 30.684,109.018 h0.25 r270; PIN_NUMBER "1" at 30.684,109.918 h0.25 r270; ASSEMBLY_TOP "18pF" at 30.507,109.468 h0.25 r90
C6801: PIN_NUMBER "2" at 30.684,111.937 h0.25 r90; PIN_NUMBER "1" at 30.684,111.037 h0.25 r90; ASSEMBLY_TOP "18pF" at 30.506,111.487 h0.25 r90
C6802: PIN_NUMBER "2" at 18.786,120.111 h0.25 r270; PIN_NUMBER "1" at 18.786,121.011 h0.25 r270; ASSEMBLY_TOP "10nF" at 18.609,120.561 h0.25 r270
C6803: PIN_NUMBER "2" at 22.596,120.111 h0.25 r270; PIN_NUMBER "1" at 22.596,121.011 h0.25 r270; ASSEMBLY_TOP "10nF" at 22.419,120.561 h0.25 r270
C6804: PIN_NUMBER "2" at 26.406,120.111 h0.25 r270; PIN_NUMBER "1" at 26.406,121.011 h0.25 r270; ASSEMBLY_TOP "10nF" at 26.229,120.561 h0.25 r270
C6805: PIN_NUMBER "2" at 30.216,120.111 h0.25 r270; PIN_NUMBER "1" at 30.216,121.011 h0.25 r270; ASSEMBLY_TOP "10nF" at 30.039,120.561 h0.25 r270
C6806: PIN_NUMBER "2" at 33.75,107.946 h0.25; PIN_NUMBER "1" at 32.85,107.946 h0.25; ASSEMBLY_TOP "DNP" at 33.097,107.819 h0.25
C6807: PIN_NUMBER "2" at 15.612,125.768 h0.25 r180; PIN_NUMBER "1" at 18.66,125.768 h0.25 r180
C6808: PIN_NUMBER "2" at 23.958,108.852 h0.25; PIN_NUMBER "1" at 22.558,108.852 h0.25; ASSEMBLY_TOP "4.7uF" at 22.851,108.725 h0.25 r180
C6809: PIN_NUMBER "2" at 26.023,108.037 h0.25 r90; PIN_NUMBER "1" at 26.023,107.137 h0.25 r90; ASSEMBLY_TOP "1uF" at 25.947,107.587 h0.25 r270
C6810: PIN_NUMBER "2" at 26.957,108.037 h0.25 r90; PIN_NUMBER "1" at 26.957,107.137 h0.25 r90; ASSEMBLY_TOP "100nF" at 26.677,107.587 h0.25 r270
C6811: PIN_NUMBER "2" at 23.955,110.214 h0.25; PIN_NUMBER "1" at 22.555,110.214 h0.25; ASSEMBLY_TOP "4.7uF" at 22.849,110.087 h0.25 r180
C6812: PIN_NUMBER "2" at 24.114,111.316 h0.25; PIN_NUMBER "1" at 23.214,111.316 h0.25; ASSEMBLY_TOP "100nF" at 23.258,111.189 h0.25 r180
C6813: PIN_NUMBER "2" at 28.39,108.022 h0.25 r90; PIN_NUMBER "1" at 28.39,107.122 h0.25 r90; ASSEMBLY_TOP "100nF" at 28.111,107.572 h0.25 r270
C6814: PIN_NUMBER "2" at 33.926,101.04 h0.25 r270; PIN_NUMBER "1" at 33.926,102.44 h0.25 r270; ASSEMBLY_TOP "4.7uF" at 33.646,101.74 h0.25 r90
C6815: PIN_NUMBER "2" at 25.101,108.037 h0.25 r90; PIN_NUMBER "1" at 25.101,107.137 h0.25 r90; ASSEMBLY_TOP "100nF" at 24.822,107.587 h0.25 r270
C6816: PIN_NUMBER "2" at 26.851,112.095 h0.25 r270; PIN_NUMBER "1" at 26.851,112.995 h0.25 r270; ASSEMBLY_TOP "100nF" at 26.571,112.545 h0.25 r270
C6817: PIN_NUMBER "2" at 21.487,111.65 h0.25 r180; PIN_NUMBER "1" at 22.388,111.65 h0.25 r180; ASSEMBLY_TOP "100nF" at 21.531,111.524 h0.25
C6818: PIN_NUMBER "2" at 30.595,108.838 h0.25 r90; PIN_NUMBER "1" at 30.595,107.438 h0.25 r90; ASSEMBLY_TOP "4.7uF" at 30.315,108.138 h0.25 r270
C6819: PIN_NUMBER "2" at 28.507,111.648 h0.25 r180; PIN_NUMBER "1" at 29.407,111.648 h0.25 r180; ASSEMBLY_TOP "100nF" at 28.551,111.521 h0.25 r180
C6820: PIN_NUMBER "2" at 25.956,112.095 h0.25 r270; PIN_NUMBER "1" at 25.956,112.995 h0.25 r270; ASSEMBLY_TOP "100nF" at 25.676,112.545 h0.25 r270
C6821: PIN_NUMBER "2" at 28.507,110.511 h0.25 r180; PIN_NUMBER "1" at 29.407,110.511 h0.25 r180; ASSEMBLY_TOP "100nF" at 28.551,110.384 h0.25 r180
C6822: PIN_NUMBER "2" at 33.723,104.73 h0.25 r90; PIN_NUMBER "1" at 33.723,103.83 h0.25 r90; ASSEMBLY_TOP "100nF" at 33.443,104.28 h0.25 r90
C6823: PIN_NUMBER "2" at 27.728,100.452 h0.25 r270; PIN_NUMBER "1" at 27.728,101.352 h0.25 r270; ASSEMBLY_TOP "DNP" at 27.652,100.902 h0.25 r90
C6826: PIN_NUMBER "2" at 23.2,107.125 h0.25; PIN_NUMBER "1" at 22.3,107.125 h0.25; ASSEMBLY_TOP "3pF" at 22.547,106.998 h0.25
C7000: PIN_NUMBER "2" at 55.846,147.326 h0.25 r90; PIN_NUMBER "1" at 55.846,146.426 h0.25 r90; ASSEMBLY_TOP "1uF" at 55.77,146.876 h0.25 r90
C7001: PIN_NUMBER "2" at 56.862,147.326 h0.25 r90; PIN_NUMBER "1" at 56.862,146.426 h0.25 r90; ASSEMBLY_TOP "1uF" at 56.786,146.876 h0.25 r90
C7002: PIN_NUMBER "2" at 57.878,147.326 h0.25 r90; PIN_NUMBER "1" at 57.878,146.426 h0.25 r90; ASSEMBLY_TOP "1uF" at 57.802,146.876 h0.25 r90
C7003: PIN_NUMBER "2" at 60.03,145.758 h0.25; PIN_NUMBER "1" at 59.13,145.758 h0.25; ASSEMBLY_TOP "1uF" at 59.377,145.631 h0.25
C7004: PIN_NUMBER "2" at 60.03,144.742 h0.25; PIN_NUMBER "1" at 59.13,144.742 h0.25; ASSEMBLY_TOP "1uF" at 59.377,144.615 h0.25
C7005: PIN_NUMBER "2" at 60.03,143.729 h0.25; PIN_NUMBER "1" at 59.13,143.729 h0.25; ASSEMBLY_TOP "1uF" at 59.377,143.602 h0.25
C7006: PIN_NUMBER "2" at 51.941,145.072 h0.25 r180; PIN_NUMBER "1" at 52.842,145.072 h0.25 r180; ASSEMBLY_TOP "1uF" at 52.188,144.945 h0.25
C7007: PIN_NUMBER "2" at 51.941,144.082 h0.25 r180; PIN_NUMBER "1" at 52.842,144.082 h0.25 r180; ASSEMBLY_TOP "100nF" at 51.985,143.955 h0.25
C7008: PIN_NUMBER "2" at 51.941,142.888 h0.25 r180; PIN_NUMBER "1" at 52.842,142.888 h0.25 r180; ASSEMBLY_TOP "1uF" at 52.188,142.761 h0.25
C7009: PIN_NUMBER "2" at 51.941,141.877 h0.25 r180; PIN_NUMBER "1" at 52.842,141.877 h0.25 r180; ASSEMBLY_TOP "100nF" at 51.985,141.75 h0.25
C7010: PIN_NUMBER "2" at 60.081,142.685 h0.25; PIN_NUMBER "1" at 59.18,142.685 h0.25; ASSEMBLY_TOP "100nF" at 59.224,142.558 h0.25
C7011: PIN_NUMBER "2" at 60.432,141.466 h0.25; PIN_NUMBER "1" at 59.032,141.466 h0.25; ASSEMBLY_TOP "4.7uF" at 59.326,141.339 h0.25
C7012: PIN_NUMBER "2" at 135.932,42.449 h0.25 r90; PIN_NUMBER "1" at 135.932,41.549 h0.25 r90; ASSEMBLY_TOP "100nF" at 135.653,41.999 h0.25 r90
C8200: PIN_NUMBER "1" at 52.267,17.598 h0.64 r180; PIN_NUMBER "2" at 52.267,17.098 h0.64; ASSEMBLY_TOP "10nF" at 52.241,17.347 h0.25 r90
C8201: PIN_NUMBER "1" at 52.898,17.598 h0.64 r180; PIN_NUMBER "2" at 52.898,17.098 h0.64; ASSEMBLY_TOP "10nF" at 52.872,17.347 h0.25 r90
C8202: PIN_NUMBER "1" at 49.088,17.598 h0.64 r180; PIN_NUMBER "2" at 49.088,17.098 h0.64; ASSEMBLY_TOP "10nF" at 49.062,17.347 h0.25 r90
C8203: PIN_NUMBER "1" at 48.457,17.598 h0.64 r180; PIN_NUMBER "2" at 48.457,17.098 h0.64; ASSEMBLY_TOP "10nF" at 48.431,17.347 h0.25 r90
C8204: PIN_NUMBER "2" at 42.308,24.319 h0.25; PIN_NUMBER "1" at 41.408,24.319 h0.25; ASSEMBLY_TOP "100nF" at 41.452,24.192 h0.25
C8205: PIN_NUMBER "1" at 52.898,4.898 h0.64 r180; PIN_NUMBER "2" at 52.898,4.398 h0.64; ASSEMBLY_TOP "10nF" at 52.872,4.647 h0.25 r90
C8206: PIN_NUMBER "1" at 52.267,4.898 h0.64 r180; PIN_NUMBER "2" at 52.267,4.398 h0.64; ASSEMBLY_TOP "10nF" at 52.241,4.647 h0.25 r90
C8207: PIN_NUMBER "1" at 49.088,4.898 h0.64 r180; PIN_NUMBER "2" at 49.088,4.398 h0.64; ASSEMBLY_TOP "10nF" at 49.062,4.647 h0.25 r90
C8208: PIN_NUMBER "1" at 48.457,4.898 h0.64 r180; PIN_NUMBER "2" at 48.457,4.398 h0.64; ASSEMBLY_TOP "10nF" at 48.431,4.647 h0.25 r90
C8209: PIN_NUMBER "2" at 35.88,17.975 h0.25 r90; PIN_NUMBER "1" at 35.88,17.075 h0.25 r90; ASSEMBLY_TOP "100nF" at 35.601,17.525 h0.25 r270
C8210: PIN_NUMBER "1" at 28.076,22.762 h0.64 r270; PIN_NUMBER "2" at 28.576,22.762 h0.64 r90; ASSEMBLY_TOP "10nF" at 28.174,22.635 h0.25
C8211: PIN_NUMBER "2" at 35.665,14.101 h0.25; PIN_NUMBER "1" at 34.765,14.101 h0.25; ASSEMBLY_TOP "18pF" at 34.91,13.973 h0.25
C8212: PIN_NUMBER "1" at 28.076,23.393 h0.64 r270; PIN_NUMBER "2" at 28.576,23.393 h0.64 r90; ASSEMBLY_TOP "10nF" at 28.174,23.266 h0.25
C8213: PIN_NUMBER "2" at 32.847,14.1 h0.25 r180; PIN_NUMBER "1" at 33.747,14.1 h0.25 r180; ASSEMBLY_TOP "18pF" at 32.992,13.973 h0.25
C8214: PIN_NUMBER "1" at 33.807,4.898 h0.64 r180; PIN_NUMBER "2" at 33.807,4.398 h0.64; ASSEMBLY_TOP "10nF" at 33.782,4.647 h0.25 r90
C8215: PIN_NUMBER "1" at 33.176,4.898 h0.64 r180; PIN_NUMBER "2" at 33.176,4.398 h0.64; ASSEMBLY_TOP "10nF" at 33.151,4.647 h0.25 r90
C8216: PIN_NUMBER "1" at 28.076,21.893 h0.64 r270; PIN_NUMBER "2" at 28.576,21.893 h0.64 r90; ASSEMBLY_TOP "10nF" at 28.174,21.766 h0.25
C8217: PIN_NUMBER "1" at 29.997,4.898 h0.64 r180; PIN_NUMBER "2" at 29.997,4.398 h0.64; ASSEMBLY_TOP "10nF" at 29.972,4.647 h0.25 r90
C8218: PIN_NUMBER "1" at 28.076,21.262 h0.64 r270; PIN_NUMBER "2" at 28.576,21.262 h0.64 r90; ASSEMBLY_TOP "10nF" at 28.174,21.135 h0.25
C8219: PIN_NUMBER "1" at 29.366,4.898 h0.64 r180; PIN_NUMBER "2" at 29.366,4.398 h0.64; ASSEMBLY_TOP "10nF" at 29.341,4.647 h0.25 r90
C8220: PIN_NUMBER "1" at 14.717,4.898 h0.64 r180; PIN_NUMBER "2" at 14.717,4.398 h0.64; ASSEMBLY_TOP "10nF" at 14.692,4.647 h0.25 r90
C8221: PIN_NUMBER "1" at 14.086,4.898 h0.64 r180; PIN_NUMBER "2" at 14.086,4.398 h0.64; ASSEMBLY_TOP "10nF" at 14.061,4.647 h0.25 r90
C8222: PIN_NUMBER "1" at 10.907,4.898 h0.64 r180; PIN_NUMBER "2" at 10.907,4.398 h0.64; ASSEMBLY_TOP "10nF" at 10.882,4.647 h0.25 r90
C8223: PIN_NUMBER "1" at 10.276,4.898 h0.64 r180; PIN_NUMBER "2" at 10.276,4.398 h0.64; ASSEMBLY_TOP "10nF" at 10.251,4.647 h0.25 r90
C8224: PIN_NUMBER "2" at 56.086,34.947 h0.25 r270; PIN_NUMBER "1" at 56.086,36.347 h0.25 r270; ASSEMBLY_TOP "10uF" at 55.908,35.647 h0.25 r90
C8225: PIN_NUMBER "1" at 50.062,35.254 h0.25; PIN_NUMBER "2" at 50.962,35.254 h0.25; ASSEMBLY_TOP "100pF" at 50.106,35.127 h0.25
C8226: PIN_NUMBER "2" at 53.658,31.37 h0.25 r90; PIN_NUMBER "1" at 53.658,29.969 h0.25 r90; ASSEMBLY_TOP "22uF" at 53.48,30.669 h0.25 r90
C8227: PIN_NUMBER "2" at 34.626,18.343 h0.25 r90; PIN_NUMBER "1" at 34.626,16.943 h0.25 r90; ASSEMBLY_TOP "10uF" at 34.448,17.643 h0.25 r270
C8228: PIN_NUMBER "2" at 26.688,30.079 h0.25 r90; PIN_NUMBER "1" at 26.688,29.179 h0.25 r90; ASSEMBLY_TOP "100nF" at 26.409,29.629 h0.25 r90
C8229: PIN_NUMBER "2" at 31.049,17.896 h0.25; PIN_NUMBER "1" at 30.149,17.896 h0.25; ASSEMBLY_TOP "100nF" at 30.193,17.769 h0.25 r180
C8230: PIN_NUMBER "2" at 38.259,23.735 h0.25 r180; PIN_NUMBER "1" at 39.159,23.735 h0.25 r180; ASSEMBLY_TOP "100nF" at 38.303,23.608 h0.25 r180
C8231: PIN_NUMBER "2" at 35.883,25.1 h0.25 r270; PIN_NUMBER "1" at 35.883,26 h0.25 r270; ASSEMBLY_TOP "100nF" at 35.603,25.55 h0.25 r270
C8232: PIN_NUMBER "2" at 34.318,24.691 h0.25 r270; PIN_NUMBER "1" at 34.318,26.091 h0.25 r270; ASSEMBLY_TOP "10uF" at 34.14,25.391 h0.25 r270
C8233: PIN_NUMBER "2" at 33.315,17.975 h0.25 r90; PIN_NUMBER "1" at 33.315,17.075 h0.25 r90; ASSEMBLY_TOP "100nF" at 33.035,17.525 h0.25 r270
C8234: PIN_NUMBER "2" at 31.024,20.842 h0.25; PIN_NUMBER "1" at 30.124,20.842 h0.25; ASSEMBLY_TOP "100nF" at 30.167,20.715 h0.25 r180
C8235: PIN_NUMBER "2" at 38.259,20.865 h0.25 r180; PIN_NUMBER "1" at 39.159,20.865 h0.25 r180; ASSEMBLY_TOP "100nF" at 38.303,20.738 h0.25 r180
C8236: PIN_NUMBER "2" at 33.038,25.1 h0.25 r270; PIN_NUMBER "1" at 33.038,26 h0.25 r270; ASSEMBLY_TOP "100nF" at 32.759,25.55 h0.25 r270
C8237: PIN_NUMBER "2" at 50.062,33.304 h0.25 r180; PIN_NUMBER "1" at 50.962,33.304 h0.25 r180; ASSEMBLY_TOP "100nF" at 50.106,33.177 h0.25
C8238: PIN_NUMBER "2" at 14.717,17.098 h0.64; PIN_NUMBER "1" at 14.717,17.598 h0.64 r180; ASSEMBLY_TOP "10nF" at 14.692,17.347 h0.25 r90
C8239: PIN_NUMBER "2" at 14.086,17.098 h0.64; PIN_NUMBER "1" at 14.086,17.598 h0.64 r180; ASSEMBLY_TOP "10nF" at 14.061,17.347 h0.25 r90
C8240: PIN_NUMBER "2" at 10.907,17.098 h0.64; PIN_NUMBER "1" at 10.907,17.598 h0.64 r180; ASSEMBLY_TOP "10nF" at 10.882,17.347 h0.25 r90
C8241: PIN_NUMBER "2" at 10.276,17.098 h0.64; PIN_NUMBER "1" at 10.276,17.598 h0.64 r180; ASSEMBLY_TOP "10nF" at 10.251,17.347 h0.25 r90
C8242: PIN_NUMBER "2" at 45.063,34.693 h0.25 r270; PIN_NUMBER "1" at 45.063,36.093 h0.25 r270; ASSEMBLY_TOP "10uF" at 44.885,35.393 h0.25 r90
C8243: PIN_NUMBER "1" at 39.039,35 h0.25; PIN_NUMBER "2" at 39.939,35 h0.25; ASSEMBLY_TOP "100pF" at 39.082,34.873 h0.25
C8244: PIN_NUMBER "2" at 42.634,31.116 h0.25 r90; PIN_NUMBER "1" at 42.634,29.715 h0.25 r90; ASSEMBLY_TOP "22uF" at 42.456,30.415 h0.25 r90
C8245: PIN_NUMBER "2" at 38.029,18.561 h0.25 r90; PIN_NUMBER "1" at 38.029,17.161 h0.25 r90; ASSEMBLY_TOP "10uF" at 37.851,17.861 h0.25 r270
C8246: PIN_NUMBER "2" at 31.024,22.239 h0.25; PIN_NUMBER "1" at 30.124,22.239 h0.25; ASSEMBLY_TOP "100nF" at 30.167,22.112 h0.25 r180
C8247: PIN_NUMBER "2" at 32.172,17.975 h0.25 r90; PIN_NUMBER "1" at 32.172,17.075 h0.25 r90; ASSEMBLY_TOP "100nF" at 31.892,17.525 h0.25 r270
C8248: PIN_NUMBER "2" at 31.895,25.1 h0.25 r270; PIN_NUMBER "1" at 31.895,26 h0.25 r270; ASSEMBLY_TOP "100nF" at 31.616,25.55 h0.25 r270
C8249: PIN_NUMBER "2" at 31.151,19.318 h0.25; PIN_NUMBER "1" at 30.251,19.318 h0.25; ASSEMBLY_TOP "100nF" at 30.294,19.191 h0.25 r180
C8250: PIN_NUMBER "2" at 31.514,23.621 h0.25; PIN_NUMBER "1" at 30.114,23.621 h0.25; ASSEMBLY_TOP "10uF" at 30.509,23.494 h0.25 r180
C8251: PIN_NUMBER "2" at 38.251,19.85 h0.25 r180; PIN_NUMBER "1" at 39.151,19.85 h0.25 r180; ASSEMBLY_TOP "100nF" at 38.295,19.723 h0.25 r180
C8252: PIN_NUMBER "2" at 36.947,17.975 h0.25 r90; PIN_NUMBER "1" at 36.947,17.075 h0.25 r90; ASSEMBLY_TOP "100nF" at 36.668,17.525 h0.25 r270
C8253: PIN_NUMBER "2" at 38.259,22.262 h0.25 r180; PIN_NUMBER "1" at 39.159,22.262 h0.25 r180; ASSEMBLY_TOP "100nF" at 38.303,22.135 h0.25 r180
C8254: PIN_NUMBER "2" at 37.026,25.1 h0.25 r270; PIN_NUMBER "1" at 37.026,26 h0.25 r270; ASSEMBLY_TOP "100nF" at 36.746,25.55 h0.25 r270
C8255: PIN_NUMBER "2" at 39.039,33.05 h0.25 r180; PIN_NUMBER "1" at 39.939,33.05 h0.25 r180; ASSEMBLY_TOP "100nF" at 39.082,32.923 h0.25
C8300: PIN_NUMBER "1" at 110.302,17.598 h0.64 r180; PIN_NUMBER "2" at 110.302,17.098 h0.64; ASSEMBLY_TOP "10nF" at 110.276,17.347 h0.25 r90
C8301: PIN_NUMBER "1" at 109.671,17.598 h0.64 r180; PIN_NUMBER "2" at 109.671,17.098 h0.64; ASSEMBLY_TOP "10nF" at 109.645,17.347 h0.25 r90
C8302: PIN_NUMBER "1" at 106.492,17.598 h0.64 r180; PIN_NUMBER "2" at 106.492,17.098 h0.64; ASSEMBLY_TOP "10nF" at 106.466,17.347 h0.25 r90
C8303: PIN_NUMBER "1" at 105.861,17.598 h0.64 r180; PIN_NUMBER "2" at 105.861,17.098 h0.64; ASSEMBLY_TOP "10nF" at 105.835,17.347 h0.25 r90
C8304: PIN_NUMBER "2" at 99.712,24.319 h0.25; PIN_NUMBER "1" at 98.812,24.319 h0.25; ASSEMBLY_TOP "100nF" at 98.856,24.192 h0.25
C8305: PIN_NUMBER "1" at 110.302,4.898 h0.64 r180; PIN_NUMBER "2" at 110.302,4.398 h0.64; ASSEMBLY_TOP "10nF" at 110.276,4.647 h0.25 r90
C8306: PIN_NUMBER "1" at 109.671,4.898 h0.64 r180; PIN_NUMBER "2" at 109.671,4.398 h0.64; ASSEMBLY_TOP "10nF" at 109.645,4.647 h0.25 r90
C8307: PIN_NUMBER "1" at 106.492,4.898 h0.64 r180; PIN_NUMBER "2" at 106.492,4.398 h0.64; ASSEMBLY_TOP "10nF" at 106.466,4.647 h0.25 r90
C8308: PIN_NUMBER "2" at 88.453,17.896 h0.25; PIN_NUMBER "1" at 87.553,17.896 h0.25; ASSEMBLY_TOP "100nF" at 87.597,17.769 h0.25 r180
C8309: PIN_NUMBER "1" at 105.861,4.898 h0.64 r180; PIN_NUMBER "2" at 105.861,4.398 h0.64; ASSEMBLY_TOP "10nF" at 105.835,4.647 h0.25 r90
C8310: PIN_NUMBER "1" at 85.48,23.393 h0.64 r270; PIN_NUMBER "2" at 85.98,23.393 h0.64 r90; ASSEMBLY_TOP "10nF" at 85.578,23.266 h0.25
C8311: PIN_NUMBER "2" at 93.069,14.101 h0.25; PIN_NUMBER "1" at 92.169,14.101 h0.25; ASSEMBLY_TOP "18pF" at 92.314,13.973 h0.25
C8312: PIN_NUMBER "1" at 85.48,22.762 h0.64 r270; PIN_NUMBER "2" at 85.98,22.762 h0.64 r90; ASSEMBLY_TOP "10nF" at 85.578,22.635 h0.25
C8313: PIN_NUMBER "2" at 90.251,14.1 h0.25 r180; PIN_NUMBER "1" at 91.151,14.1 h0.25 r180; ASSEMBLY_TOP "18pF" at 90.396,13.973 h0.25
C8314: PIN_NUMBER "1" at 91.211,4.898 h0.64 r180; PIN_NUMBER "2" at 91.211,4.398 h0.64; ASSEMBLY_TOP "10nF" at 91.186,4.647 h0.25 r90
C8315: PIN_NUMBER "1" at 90.58,4.898 h0.64 r180; PIN_NUMBER "2" at 90.58,4.398 h0.64; ASSEMBLY_TOP "10nF" at 90.555,4.647 h0.25 r90
C8316: PIN_NUMBER "1" at 85.48,21.893 h0.64 r270; PIN_NUMBER "2" at 85.98,21.893 h0.64 r90; ASSEMBLY_TOP "10nF" at 85.578,21.766 h0.25
C8317: PIN_NUMBER "1" at 87.401,4.898 h0.64 r180; PIN_NUMBER "2" at 87.401,4.398 h0.64; ASSEMBLY_TOP "10nF" at 87.376,4.647 h0.25 r90
C8318: PIN_NUMBER "1" at 85.48,21.262 h0.64 r270; PIN_NUMBER "2" at 85.98,21.262 h0.64 r90; ASSEMBLY_TOP "10nF" at 85.578,21.135 h0.25
C8319: PIN_NUMBER "1" at 86.77,4.898 h0.64 r180; PIN_NUMBER "2" at 86.77,4.398 h0.64; ASSEMBLY_TOP "10nF" at 86.745,4.647 h0.25 r90
C8320: PIN_NUMBER "1" at 72.121,4.898 h0.64 r180; PIN_NUMBER "2" at 72.121,4.398 h0.64; ASSEMBLY_TOP "10nF" at 72.096,4.647 h0.25 r90
C8321: PIN_NUMBER "1" at 71.49,4.898 h0.64 r180; PIN_NUMBER "2" at 71.49,4.398 h0.64; ASSEMBLY_TOP "10nF" at 71.465,4.647 h0.25 r90
C8322: PIN_NUMBER "1" at 68.311,4.898 h0.64 r180; PIN_NUMBER "2" at 68.311,4.398 h0.64; ASSEMBLY_TOP "10nF" at 68.286,4.647 h0.25 r90
C8323: PIN_NUMBER "1" at 67.68,4.898 h0.64 r180; PIN_NUMBER "2" at 67.68,4.398 h0.64; ASSEMBLY_TOP "10nF" at 67.655,4.647 h0.25 r90
C8324: PIN_NUMBER "2" at 81.449,28.958 h0.25 r90; PIN_NUMBER "1" at 81.449,27.558 h0.25 r90; ASSEMBLY_TOP "22uF" at 81.271,28.258 h0.25 r90
C8325: PIN_NUMBER "2" at 92.03,18.343 h0.25 r90; PIN_NUMBER "1" at 92.03,16.943 h0.25 r90; ASSEMBLY_TOP "10uF" at 91.852,17.643 h0.25 r270
C8326: PIN_NUMBER "2" at 84.092,30.079 h0.25 r90; PIN_NUMBER "1" at 84.092,29.179 h0.25 r90; ASSEMBLY_TOP "100nF" at 83.813,29.629 h0.25 r90
C8327: PIN_NUMBER "2" at 88.428,20.842 h0.25; PIN_NUMBER "1" at 87.528,20.842 h0.25; ASSEMBLY_TOP "100nF" at 87.571,20.715 h0.25 r180
C8328: PIN_NUMBER "2" at 90.719,17.975 h0.25 r90; PIN_NUMBER "1" at 90.719,17.075 h0.25 r90; ASSEMBLY_TOP "100nF" at 90.439,17.525 h0.25 r270
C8329: PIN_NUMBER "2" at 90.442,25.1 h0.25 r270; PIN_NUMBER "1" at 90.442,26 h0.25 r270; ASSEMBLY_TOP "100nF" at 90.163,25.55 h0.25 r270
C8330: PIN_NUMBER "2" at 91.722,24.691 h0.25 r270; PIN_NUMBER "1" at 91.722,26.091 h0.25 r270; ASSEMBLY_TOP "10uF" at 91.544,25.391 h0.25 r270
C8331: PIN_NUMBER "2" at 93.284,17.975 h0.25 r90; PIN_NUMBER "1" at 93.284,17.075 h0.25 r90; ASSEMBLY_TOP "100nF" at 93.005,17.525 h0.25 r270
C8332: PIN_NUMBER "2" at 95.663,20.865 h0.25 r180; PIN_NUMBER "1" at 96.563,20.865 h0.25 r180; ASSEMBLY_TOP "100nF" at 95.707,20.738 h0.25 r180
C8333: PIN_NUMBER "2" at 95.663,23.735 h0.25 r180; PIN_NUMBER "1" at 96.563,23.735 h0.25 r180; ASSEMBLY_TOP "100nF" at 95.707,23.608 h0.25 r180
C8334: PIN_NUMBER "2" at 93.287,25.1 h0.25 r270; PIN_NUMBER "1" at 93.287,26 h0.25 r270; ASSEMBLY_TOP "100nF" at 93.008,25.55 h0.25 r270
C8335: PIN_NUMBER "1" at 72.121,17.598 h0.64 r180; PIN_NUMBER "2" at 72.121,17.098 h0.64; ASSEMBLY_TOP "10nF" at 72.096,17.347 h0.25 r90
C8336: PIN_NUMBER "1" at 71.49,17.598 h0.64 r180; PIN_NUMBER "2" at 71.49,17.098 h0.64; ASSEMBLY_TOP "10nF" at 71.465,17.347 h0.25 r90
C8337: PIN_NUMBER "1" at 68.311,17.598 h0.64 r180; PIN_NUMBER "2" at 68.311,17.098 h0.64; ASSEMBLY_TOP "10nF" at 68.286,17.347 h0.25 r90